# Altium PCB Pi4GPU_v2.PcbDoc (part 3 of 4) (continued)
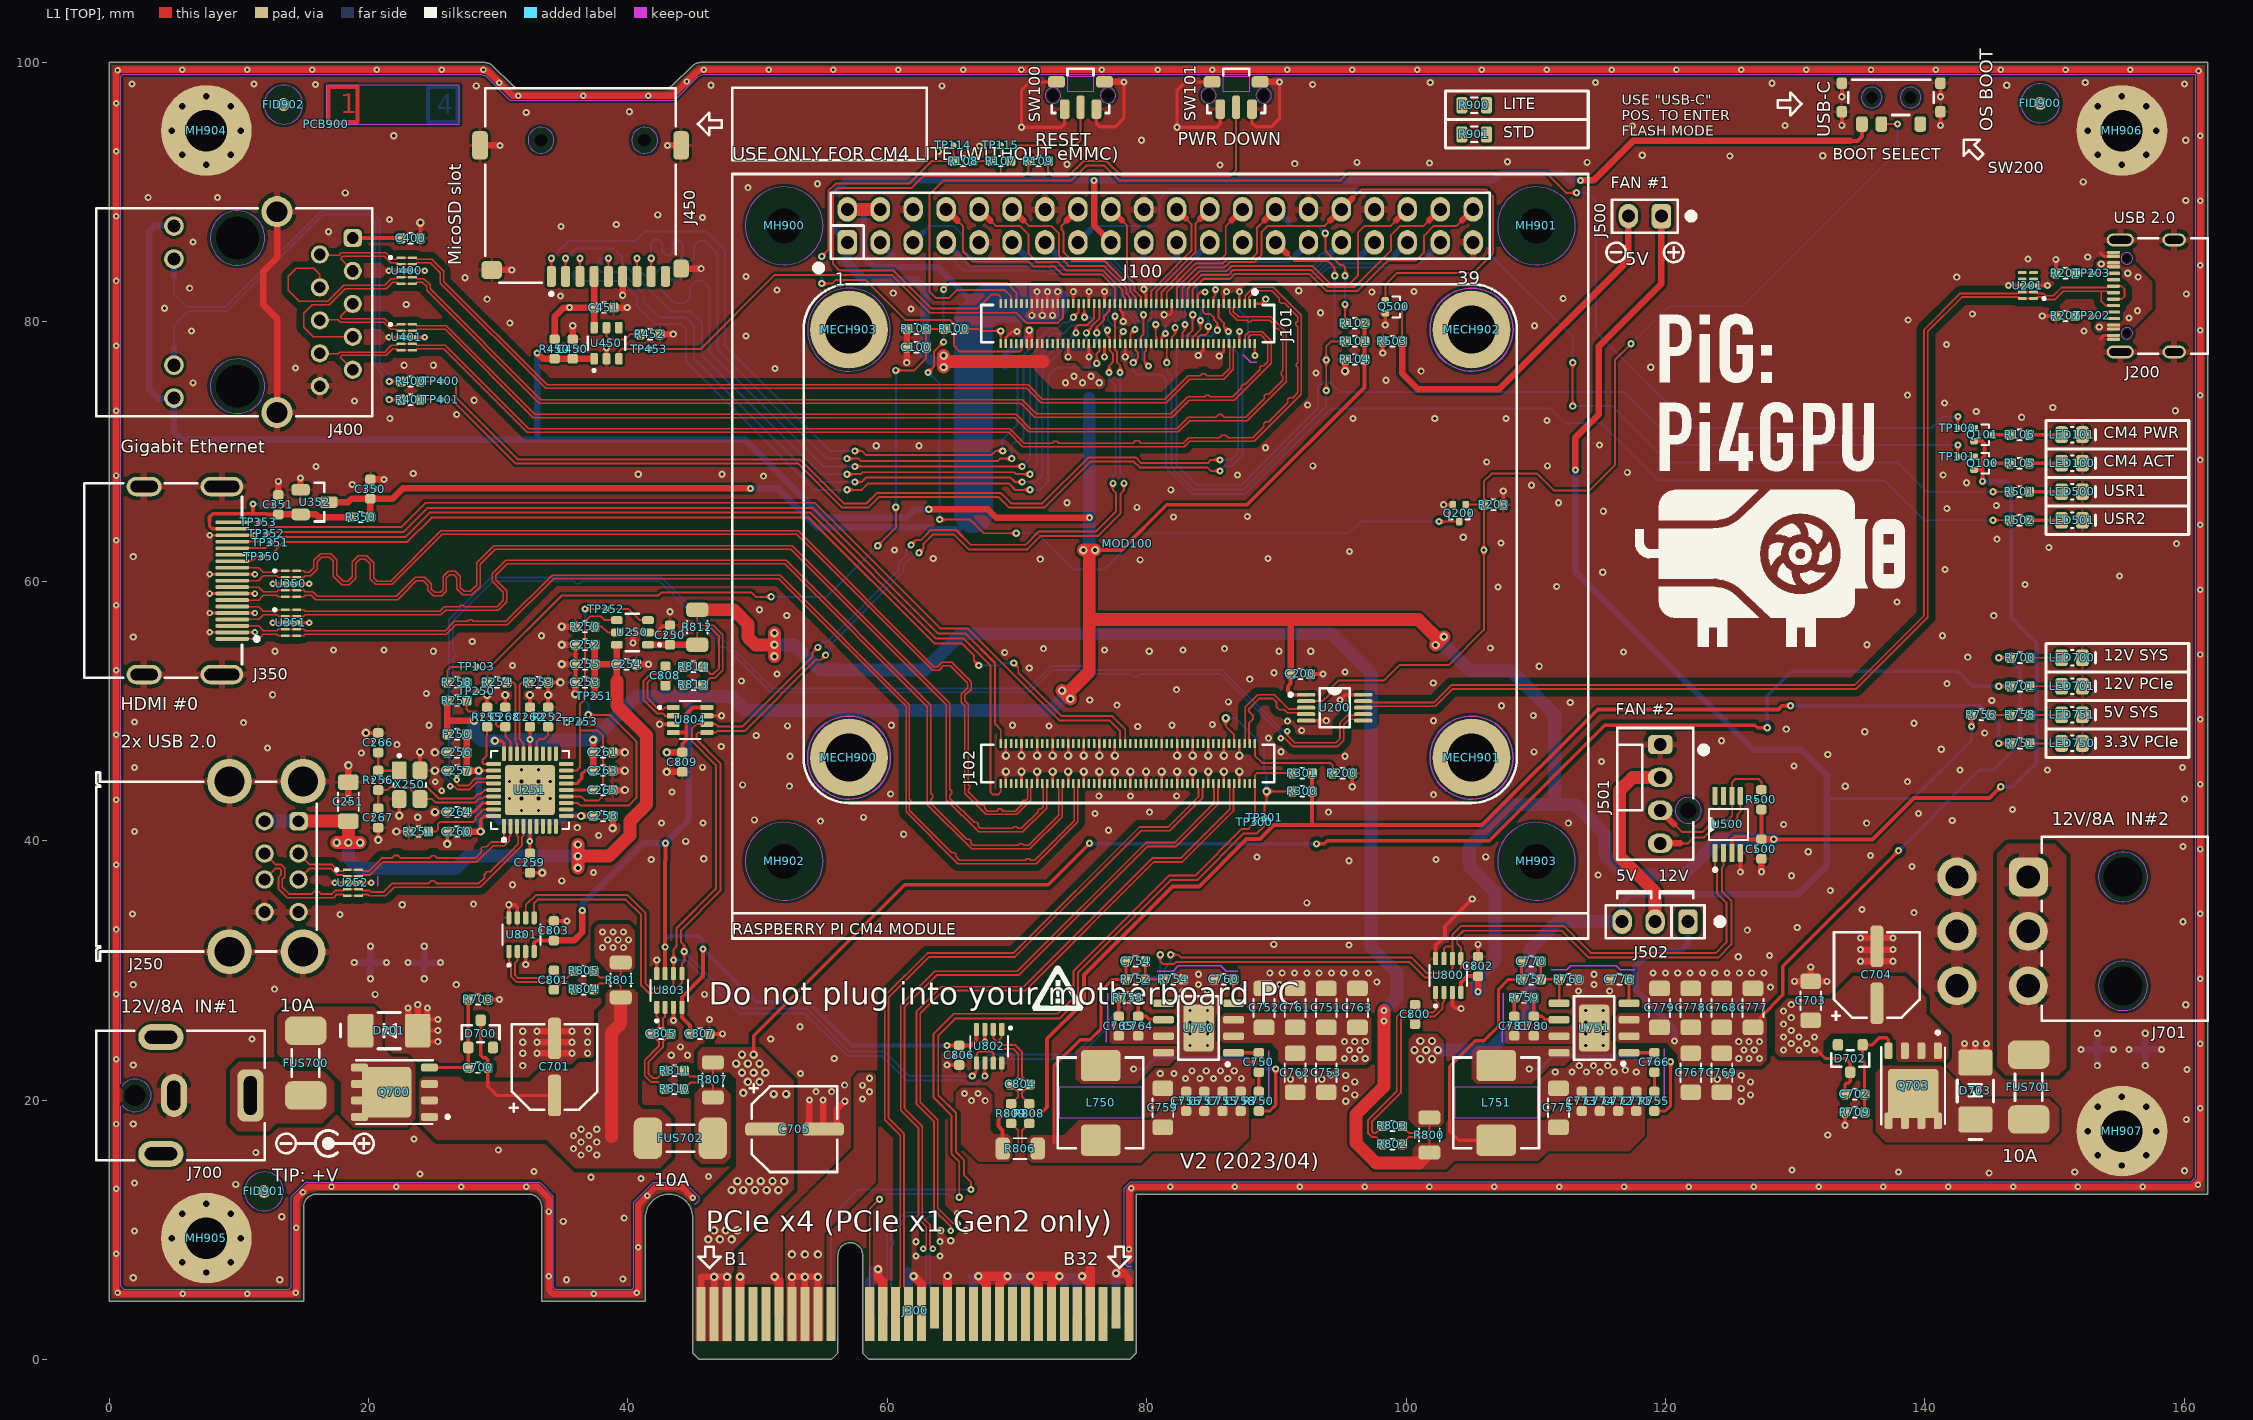
[diagram p0: L1 [TOP] view]
## Nets (pads, with @x,y where several pads share a name; then routed paths per layer and width w, separated by ;. In a path a pad name is that pad's centre, name@x,y a point inside that pad or via, vN(x,y) a via of type N, cw(c..) or ccw(c..) an arc to the next point about the centre after c; other vN are vias at no path point) (continued)
  other v2: 31.8,43.25 33.1,43.25 31.8,44.55 33.1,44.55
  other v3: 5.665,5.054 10.665,5.054 37.361,5.067 14.378,5.136 0.65,5.15 40.7,5.15 33.91,6.4 0.55,8.15 78.639,8.497 40.794,8.65 14.442,10.135 33.91,11.4 45.01,12.464 41.495,12.627 14.95,12.9 0.55,13.15 78.8,13.2 17.15,13.306 22.15,13.306 27.15,13.306 32.15,13.306 81.807,13.325 86.807,13.325 91.807,13.325 96.807,13.325 101.807,13.325 106.807,13.325 111.807,13.325 116.807,13.325 121.807,13.325 126.807,13.325 131.807,13.325 136.807,13.325 141.807,13.325 146.807,13.325 151.807,13.325 156.807,13.325 161.062,13.459 0.55,18.15 161.25,19.35 0.55,23.15 161.25,24.35 0.55,28.15 161.25,29.35 0.55,33.15 161.25,34.35 0.55,38.15 161.25,39.35 0.55,43.15 25.65,43.85 161.25,44.35 25.15,44.55 0.55,48.15 161.25,49.35 0.55,53.15 161.25,54.35 0.55,58.15 161.25,59.35 0.55,63.15 161.25,64.35 0.55,68.15 161.25,69.35 0.55,73.15 161.25,74.35 0.55,78.15 161.25,79.35 0.55,83.15 161.25,84.35 0.55,88.15 161.25,89.35 0.55,93.15 161.25,94.35 0.55,96.85 31.557,97.44 36.557,97.44 41.557,97.44 30.094,98.422 44.553,98.53 161.103,99.341 0.65,99.4 5.65,99.45 10.65,99.45 15.65,99.45 20.65,99.45 25.65,99.45 28.867,99.433 45.85,99.45 50.85,99.45 55.85,99.45 60.85,99.45 65.85,99.45 70.35,99.45 76.55,99.45 80.85,99.45 85.05,99.45 90.85,99.45 95.85,99.45 100.85,99.45 105.85,99.45 110.85,99.45 115.85,99.45 120.85,99.45 125.85,99.45 130.85,99.45 135.85,99.45 140.85,99.45 145.85,99.45 150.85,99.45 155.85,99.45
  other v4: 7.5,6.7 5.626,7.476 9.374,7.476 4.85,9.35 10.15,9.35 5.626,11.224 9.374,11.224 7.5,12 155.2,14.95 153.326,15.726 157.074,15.726 152.55,17.6 157.85,17.6 153.326,19.474 157.074,19.474 155.2,20.25 7.5,92.1 155.2,92.1 5.626,92.876 9.374,92.876 153.326,92.876 157.074,92.876 4.85,94.75 10.15,94.75 152.55,94.75 157.85,94.75 5.626,96.624 9.374,96.624 153.326,96.624 157.074,96.624 7.5,97.4 155.2,97.4
HUB_EN: TP252.1 U250.3 U251.12 | length 28.1
  L1 [TOP] w0.15: U251.12@35.25,42.9 36.15,42.9 36.35,42.7 40.05,42.7 40.65,43.3 40.65,47.65 38.6,49.7 v1(36.95,49.7) ; v1(36.7,57.85) TP252.1@38.35,57.85 40.05,57.85 40.9,57 U250.3@41.55,57
  L4 [BOT] w0.15: v1(36.7,57.85) 36.7,50.75 36.95,50.5 v1(36.95,49.7)
HUB_FLT: TP253.1 U250.4 U251.13 U251.17 | length 25
  L1 [TOP] w0.15: U251.13@35.25,43.4 36.4,43.4 36.7,43.1 37.75,43.1 38.1,43.45 38.1,48.05 37.65,48.5 36.3,48.5 ; U251.17@35.25,45.4 36.05,45.4 36.3,45.65 36.3,47.8 36.3,48.5 ; U250.4@39.15,57 38.2,57 37.9,57.3 37.082,57.3 36.7,56.918 36.7,50.9 36.3,50.5 36.3,48.5
HUB_nRST: C268.2 R257.1 R258.1 TP250.1 U251.26 | length 8.8
  L1 [TOP] w0.15: R258.1@27.575,52.2 27.575,51.5 ; TP250.1@28.35,51.5 27.575,51.5 ; U251.26@30.95,46.7 30.95,47.65 30.55,48.05 C268.2@30.55,48.775 30.538,48.787 30.013,48.787 29.85,48.95 29.85,49.25 29.6,49.5 28.8,49.5 28.35,49.95 27.75,49.95 27.575,50.125 R257.1@27.575,50.8 27.575,51.5
HUB_OSC1: C266.2 R256.2 U251.32 X250.1 | length 11.5
  L1 [TOP] w0.15: X250.1@22.35,45.3 23.5,44.15 24.5,44.15 25.4,43.25 28.1,43.25 28.45,43.6 28.65,43.6 28.95,43.9 U251.32@29.65,43.9
  L1 [TOP] w0.2: C266.2@20.75,46.8 R256.2@20.75,45.4 22.325,45.4 22.35,45.375 X250.1@22.35,45.3
HUB_OSC2: C267.2 R256.1 U251.33 X250.3 | length 11.1
  L1 [TOP] w0.15: R256.1@20.75,43.9 21.45,43.9 21.7,44.15 23.025,44.15 23.413,43.762 23.423,43.762 23.975,43.21 X250.3@23.975,43.2 24.9,43.2 25.15,42.95 28.25,42.95 28.55,43.25 28.8,43.25 28.95,43.4 U251.33@29.65,43.4
  L1 [TOP] w0.2: C267.2@20.75,42.5 R256.1@20.75,43.9
HUB_RBIAS: R251.2 U251.35 | length 6.1
  L1 [TOP] w0.15: R251.2@24.6,40.7 25.2,40.7 25.35,40.85 25.35,41.25 25.55,41.45 28.1,41.45 28.25,41.6 28.25,41.75 28.9,42.4 U251.35@29.65,42.4
LED_ACT_OUT: Q100.3 R105.2 | length 1.4
  L1 [TOP] w0.25: Q100.3@145.1,69.1 R105.2@146.55,69.1
LED_PWR_OUT: Q101.3 R106.2 | length 1.4
  L1 [TOP] w0.25: Q101.3@145.1,71.3 R106.2@146.55,71.3
NetC400_2: C400.2 J400.1 | length 3.7
  L1 [TOP] w0.3: J400.1@18.79,86.465 22.485,86.465 C400.2@22.5,86.45
NetC700_1: C700.1 D700.1 Q700.4 R703.2 | length 8.3
  L1 [TOP] w0.25: Q700.4@24.7,22.505 C700.1@27.7,22.505 ; C700.1@27.7,22.5 C700.1@27.7,22.505 ; R703.2@27.7,27.75 D700.1@27.7,24.05 C700.1@27.7,22.505
NetC702_1: C702.1 D702.1 Q703.4 R709.2 | length 8.4
  L1 [TOP] w0.25: R709.2@135.35,19.05 C702.1@135.35,20.45 135.35,22.9 135.2,23.05 D702.1@135.2,24.25 135.935,24.25 136.485,24.8 137.049,24.8 137.195,24.654 Q703.4@137.195,23.8
NetC750_1: C750.1 U750.1 | length 2
  L1 [TOP] w0.25: U750.1@86.7,23.645 86.705,23.65 C750.1@88.65,23.65
NetC750_2: C750.2 R750.1 | length 1.5
  L1 [TOP] w0.25: R750.1@88.65,20.65 C750.2@88.65,22.15
NetC760_2: C760.2 U750.4 | length 1.8
  L1 [TOP] w0.25: U750.4@86.7,27.455 C760.2@86.7,29.3
NetC764_2: C764.2 R753.2 U750.6 | length 3.5
  L1 [TOP] w0.25: R753.2@79.35,27.9 C764.2@79.35,26.45 79.985,26.45 80.25,26.185 U750.6@81.3,26.185
NetC765_2: C765.2 R753.1 | length 1.4
  L1 [TOP] w0.25: C765.2@77.85,26.45 R753.1@77.85,27.9
NetC766_1: C766.1 U751.1 | length 2
  L1 [TOP] w0.25: U751.1@117.2,23.645 117.205,23.65 C766.1@119.15,23.65
NetC766_2: C766.2 R755.1 | length 1.5
  L1 [TOP] w0.25: R755.1@119.15,20.65 C766.2@119.15,22.15
NetC776_2: C776.2 U751.4 | length 1.8
  L1 [TOP] w0.25: U751.4@117.2,27.455 C776.2@117.2,29.3
NetC780_2: C780.2 R759.2 U751.6 | length 3.5
  L1 [TOP] w0.25: R759.2@109.85,27.9 C780.2@109.85,26.45 110.485,26.45 110.75,26.185 U751.6@111.8,26.185
NetC781_2: C781.2 R759.1 | length 1.4
  L1 [TOP] w0.25: C781.2@108.35,26.45 R759.1@108.35,27.9
NetC800_1: C800.1 R802.1 U800.1 | length 16.6
  L1 [TOP] w0.15: R802.1@98.2,16.6 97.65,17.15 97.362,17.15 97.079,17.433 97.079,18.476 99.285,20.681 99.285,26.411 99.624,26.75 100.1,26.75 C800.1@100.7,27.35 101.3,26.75 102.1,26.75 102.5,27.15 102.5,27.45 102.275,27.675 U800.1@102.275,28.3
NetC800_2: C800.2 R803.1 U800.2 | length 16.1
  L1 [TOP] w0.15: R803.1@98.2,18 97.65,17.45 97.486,17.45 97.379,17.557 97.379,18.351 99.6,20.572 99.6,26.302 99.748,26.45 100.1,26.45 C800.2@100.7,25.85 101.3,26.45 102.224,26.45 102.8,27.026 102.8,27.45 102.925,27.575 U800.2@102.925,28.3
NetC801_1: C801.1 R804.1 U801.1 | length 7.8
  L1 [TOP] w0.15: U801.1@30.825,31.45 30.825,30.748 31.003,30.57 31.003,29.497 31.4,29.1 33.7,29.1 C801.1@34.3,28.5 34.895,29.095 35.305,29.095 R804.1@35.85,28.55
NetC801_2: C801.2 R805.1 U801.2 | length 7.3
  L1 [TOP] w0.15: U801.2@31.475,31.45 31.475,30.738 31.304,30.567 31.304,29.622 31.525,29.401 33.701,29.401 C801.2@34.3,30 34.9,29.4 35.3,29.4 R805.1@35.85,29.95
NetC804_1: C804.1 R808.1 U802.1 | length 7.9
  L1 [TOP] w0.15: U802.1@68.825,25.45 68.825,24.825 68.65,24.65 68.65,24.424 68.824,24.25 69.85,24.25 70.4,23.7 70.4,21.8 C804.1@71,21.2 70.4,20.6 70.4,20.25 R808.1@70.95,19.7
NetC804_2: C804.2 R809.1 U802.2 | length 7.9
  L1 [TOP] w0.15: U802.2@68.175,25.45 68.175,24.775 68.35,24.6 68.35,24.3 68.7,23.95 69.726,23.95 70.1,23.576 70.1,21.8 C804.2@69.5,21.2 70.1,20.6 70.1,20.25 R809.1@69.55,19.7
NetC805_1: C805.1 R810.1 U803.1 | length 8.3
  L1 [TOP] w0.15: U803.1@42.225,27.15 42.225,26.448 42.403,26.27 42.403,25.703 C805.1@41.8,25.1 42.4,24.5 42.4,24.174 41.3,23.074 41.3,21.876 41.776,21.4 42.3,21.4 R810.1@42.85,20.85
NetC805_2: C805.2 R811.1 U803.2 | length 7.8
  L1 [TOP] w0.15: R811.1@42.85,22.25 42.3,21.7 41.9,21.7 41.6,22 41.6,22.95 42.7,24.05 42.7,24.5 C805.2@43.3,25.1 42.704,25.696 42.704,26.267 42.875,26.438 U803.2@42.875,27.15
NetC808_1: C808.1 R813.1 U804.1 | length 7.3
  L1 [TOP] w0.15: U804.1@43.5,50.275 42.867,50.275 42.692,50.1 42.4,50.1 41.5,51 41.5,52.176 41.874,52.55 42.3,52.55 C808.1@42.9,51.95 43.5,52.55 43.75,52.55 R813.1@44.3,52
NetC808_2: C808.2 R814.1 U804.2 | length 8.3
  L1 [TOP] w0.15: U804.2@43.5,49.625 42.875,49.625 42.7,49.8 42.276,49.8 41.2,50.876 41.2,52.3 41.75,52.85 42.3,52.85 C808.2@42.9,53.45 43.5,52.85 43.75,52.85 R814.1@44.3,53.4
NetD701_1: D701.1 FUS700.2 Q700.5 Q700.6 Q700.7 Q700.8 Q700.EP
NetD703_1: D703.1 FUS701.2 Q703.5 Q703.6 Q703.7 Q703.8 Q703.EP
NetJ400_12: J400.12 R400.2 | length 36
  L1 [TOP] w0.15: v1(21.6,75.4) R400.2@22.5,75.4
  L4 [BOT] w0.15: 5,83.55 5,82.15 6,81.15 8.976,81.15 16.426,88.6 20.15,88.6 20.85,87.9 20.85,76.7 21.6,75.95 v1(21.6,75.4)
  L4 [BOT] w0.5: 5,83.55 J400.12@5,84.84
NetJ400_13: J400.13 R401.2 | length 37.5
  L1 [TOP] w0.15: v1(21.6,74) R401.2@22.5,74
  L4 [BOT] w0.15: 5,77.95 5,79.75 6.1,80.85 9.1,80.85 16.525,88.275 20.051,88.275 20.55,87.776 20.55,76.576 21,76.126 21,74.6 v1(21.6,74)
  L4 [BOT] w0.5: J400.13@5,76.66 5,77.95
NetJ500_2: J500.2 Q500.3 R503.2 | length 30.6
  L1 [TOP] w0.15: R503.2@99.7,78.5 Q500.3@99.7,81.15
  L1 [TOP] w0.5: R503.2@99.7,78.5 99.7,76.022 100.909,74.813 107.193,74.813 117.15,84.77 J500.2@117.15,88.15
NetJ501_2: J501.2 J502.2 | length 14.8
  L1 [TOP] w1: J502.2@119.2,33.75 119.2,36.05 116.45,38.8 116.45,43.85 117.47,44.87 J501.2@119.6,44.87
NetLED100_2: LED100.2 R105.1 | length 2.5
  L1 [TOP] w0.25: R105.1@148.05,69.1 LED100.2@150.55,69.1
NetLED101_2: LED101.2 R106.1 | length 2.5
  L1 [TOP] w0.25: R106.1@148.05,71.3 LED101.2@150.55,71.3
NetLED500_2: LED500.2 R501.2 | length 2.5
  L1 [TOP] w0.25: R501.2@148.05,66.9 LED500.2@150.55,66.9
NetLED501_2: LED501.2 R502.2 | length 2.5
  L1 [TOP] w0.25: R502.2@148.05,64.7 LED501.2@150.55,64.7
NetLED700_2: LED700.2 R700.1 | length 2.4
  L1 [TOP] w0.15: R700.1@148.1,54.1 LED700.2@150.55,54.1
NetLED701_2: LED701.2 R701.1 | length 2.4
  L1 [TOP] w0.15: R701.1@148.1,51.9 LED701.2@150.55,51.9
NetLED750_2: LED750.2 R751.1 | length 2.4
  L1 [TOP] w0.15: R751.1@148.1,47.5 LED750.2@150.55,47.5
NetLED751_2: LED751.2 R758.1 | length 2.4
  L1 [TOP] w0.15: R758.1@148.1,49.7 LED751.2@150.55,49.7
NetR107_1: R107.1 SW100.2 | length 9
  L1 [TOP] w0.15: R107.1@69.5,92.4 69.5,93.15 69.95,93.6 74.495,93.6 74.9,94.005 SW100.2@74.9,96.55
NetR107_2: R107.2 R108.1 | length 1.4
  L1 [TOP] w0.15: R108.1@66.6,92.4 R107.2@68,92.4
NetR109_1: R109.1 SW101.2 | length 21.4
  L1 [TOP] w0.15: R109.1@72.4,92.4 72.4,91.601 72.751,91.25 74,91.25 75.15,92.4 76.9,92.4 78.05,91.25 86.45,91.25 86.9,91.7 SW101.2@86.9,96.55
NetR250_2: R250.2 U250.5 | length 1.9
  L1 [TOP] w0.15: R250.2@37.45,56.5 38,56.5 38.45,56.05 U250.5@39.15,56.05
NetR452_2: R452.2 U450.5 | length 3.5
  L1 [TOP] w0.15: U450.5@38.35,79.55 38.35,78.9 38.6,78.65 39.8,78.65 40.2,79.05 R452.2@40.95,79.05
NetR756_1: R756.1 R758.2 | length 1.5
  L1 [TOP] w0.15: R756.1@145.1,49.7 R758.2@146.6,49.7
PCIe_CLK_N: J300.A14 MOD100.112 | length 63.3
  L1 [TOP] w0.141: v3(64.9,9.928) 64.9,10.251 63.6,11.551 63.6,18.36 62.246,19.714 62.246,26.799 64.176,28.729 70.526,28.729 80.447,38.65 82.644,38.65 86.403,42.409 86.403,44.04 86.377,44.067 86.377,44.373 MOD100.112@86.35,44.4
  L4 [BOT] w0.141: J300.A14@60.65,3.5 60.65,5.25 60.297,5.604 60.297,8.676 60.532,8.912 60.532,9.062 60.297,9.297 60.297,9.832 60.751,10.286 60.969,10.286 61.096,10.413 61.096,10.631 61.521,11.057 62.711,11.057 62.901,10.867 63.087,10.867 63.277,11.057 64.094,11.057 64.9,10.251 v3(64.9,9.928)
PCIe_CLK_P: J300.A13 MOD100.110 | length 63.3
  L1 [TOP] w0.141: 65.107,10.458 63.893,11.672 63.893,18.481 62.539,19.836 62.539,26.677 64.297,28.436 70.647,28.436 80.568,38.357 82.765,38.357 86.696,42.288 86.696,44.04 86.723,44.067 86.723,44.373 MOD100.110@86.75,44.4 ; 65.11,10.456 v3@65.428,10.456
  L4 [BOT] w0.141: J300.A13@59.65,3.5 59.65,5.25 60.003,5.603 60.003,9.954 61.4,11.35 64.215,11.35 65.105,10.461 ; 65.107,10.458 65.105,10.461 ; v3(65.428,10.461) 65.105,10.461
PCIe_nCLKREQ: J300.B12 MOD100.102 R301.2 TP300.1 | length 68.4
  L1 [TOP] w0.15: J300.B12@58.65,3.5 58.65,11.6 v1(59.4,12.35) ; v1(65.55,12.5) 65.55,15.25 64.95,15.85 64.95,18.824 63.581,20.193 63.581,25.092 65.139,26.65 73.155,26.65 74.35,27.845 74.35,29.941 81.709,37.3 83.75,37.3 87.35,40.9 87.85,40.9 TP300.1@88.35,41.4 MOD100.102@88.35,44.4 88.35,45.05 88.5,45.2 R301.2@91.25,45.2
  L4 [BOT] w0.15: v1(59.4,12.35) 59.8,12.75 64.65,12.75 64.9,12.5 v1(65.55,12.5)
PCIe_nRST: J300.A11 MOD100.109 R300.2 TP301.1 | length 79.5
  L1 [TOP] w0.15: v1(66.45,13.1) 66.45,13.688 65.91,14.228 65.91,15.385 65.3,15.995 65.3,19 63.931,20.369 63.931,24.95 65.281,26.3 73.3,26.3 74.7,27.7 74.7,29.796 81.854,36.95 83.895,36.95 87.495,40.55 88.5,40.55 89.1,41.15 TP301.1@89.1,41.75 89.1,42.75 89.25,42.9 v2(89.25,43.8) R300.2@91.25,43.8 ; v2(86.1,49.45) 86.1,48.8 86.75,48.15 MOD100.109@86.75,47.48
  L4 [BOT] w0.15: J300.A11@55.65,3.5 55.65,11 57.75,13.1 v1(66.45,13.1) ; v2(86.1,49.45) 86.85,49.45 89.05,47.25 89.05,45.4 89.25,45.2 v2(89.25,43.8)
PCIe_RX_N: J300.A16 MOD100.118 | length 57.1
  L1 [TOP] w0.141: v3(62.775,8.525) 63.003,8.753 63.003,10.247 62.4,10.85 62.4,17.863 61.046,19.217 61.046,27.296 63.679,29.929 70.029,29.929 79.95,39.85 82.147,39.85 85.203,42.906 85.203,44.04 85.177,44.067 85.177,44.373 MOD100.118@85.15,44.4
  L4 [BOT] w0.141: J300.A16@62.65,3.5 62.65,5.25 63.003,5.603 63.003,8.297 v3(62.775,8.525)
PCIe_RX_P: J300.A17 MOD100.116 | length 57.1
  L1 [TOP] w0.141: v3(63.525,8.528) 63.297,8.757 63.297,10.368 62.693,10.971 62.693,17.863 62.693,17.984 61.339,19.338 61.339,27.174 63.8,29.636 70.15,29.636 80.071,39.557 82.268,39.557 85.496,42.785 85.496,44.04 85.523,44.067 85.523,44.373 MOD100.116@85.55,44.4
  L4 [BOT] w0.141: v3(63.525,8.528) 63.297,8.3 63.297,5.603 63.65,5.25 J300.A17@63.65,3.5
PCIe_TX_N: J300.B14 MOD100.124 | length 56.8
  L1 [TOP] w0.141: J300.B14@60.65,3.5 60.65,5.25 61.004,5.603 61.004,9.778 61.004,17.284 59.808,18.48 59.808,28.033 63.104,31.329 69.729,31.329 79.45,41.05 81.65,41.05 84.003,43.403 84.003,44.04 83.977,44.067 83.977,44.373 MOD100.124@83.95,44.4
PCIe_TX_P: J300.B15 MOD100.122 | length 56.8
  L1 [TOP] w0.141: J300.B15@61.65,3.5 61.65,5.25 61.297,5.603 61.297,9.9 61.297,17.406 60.101,18.601 60.101,27.912 63.225,31.036 69.85,31.036 79.571,40.757 81.771,40.757 84.296,43.282 84.296,44.04 84.323,44.067 84.323,44.373 MOD100.122@84.35,44.4
PP1800: MOD100.88 MOD100.90 TP109.1 TP113.1 | length 5.7
  L1 [TOP] w0.15: MOD100.90@70.75,78.32 70.75,78.8 70.85,78.9 70.95,78.9 71.05,78.9 71.15,78.8 MOD100.88@71.15,78.32
  L1 [TOP] w0.25: 70.95,78.9 v1(70.95,79.35)
  L4 [BOT] w0.5: TP113.1@69.05,76.55 69.05,77.4 69.45,77.8 69.75,77.8 TP109.1@70.4,78.45 70.95,79 v1(70.95,79.35)
PP3300: C200.2 C261.2 C262.2 C263.2 C450.2 C500.2 C802.2 C803.2 C806.2 C807.2 C809.2 F250.1 J100.1 J100.17 J400.11 J400.14 MOD100.78 MOD100.84 MOD100.86 Q100.2 Q101.2 R101.2 R102.2 R104.2 R257.2 R450.2 R500.2 SW200.3 TP108.1 TP112.1 U200.1 U251.15 U251.23 U251.27 U450.1 U500.3 U800.4 U801.4 U802.4 U803.4 U803.7 U804.4 U804.8 | length 583.3
  L1 [TOP] w0.25: v2(29.75,47.7) 30.25,47.7 30.45,47.5 U251.27@30.45,46.7 ; U251.23@32.45,46.7 v1(32.45,47.788) C262.2@32.45,48.775 ; U251.15@35.25,44.4 36.05,44.4 36.45,44.8 36.45,45.15 36.7,45.4 C263.2@37.325,45.4
  L1 [TOP] w0.3: U801.4@32.775,31.45 32.775,32.125 32.95,32.3 C803.2@34.3,32.3 ; U803.7@42.875,29.75 v1(42.875,31.8) 42.875,38.425 42.9,38.45 v1(42.9,39.8) ; U804.4@43.5,48.325 44.5,48.325 ; C809.2@44.2,46.8 44.2,47.45 44.5,47.75 44.5,48.325 ; C807.2@44.8,25.1 44.8,25.748 44.175,26.373 U803.4@44.175,27.15 44.175,27.925 45.8,29.55 v1(45.8,31.65) ; U804.8@46.1,50.275 45.025,50.275 44.5,49.75 44.5,48.325 ; v1(64.6,24.2) C806.2@65.55,24.2 66.45,24.2 66.875,24.625 U802.4@66.875,25.45 ; v2(76.025,62.4) 78.05,62.4 81.55,65.9 87.75,65.9 96.8,74.95 R104.2@96.8,77.1 R101.2@96.8,78.5 R102.2@96.8,79.9 ; C200.2@91.1,52.85 91.1,52.1 90.9,51.9 90.9,51.55 91.2,51.25 U200.1@92.3,51.25 ; U800.4@104.225,28.3 104.225,29.059 104.716,29.55 C802.2@105.55,29.55 ; U500.3@125.125,39.05 125.125,40.075 125.35,40.3 126.25,40.3 126.45,40.1 C500.2@127.4,40.1 R500.2@127.4,42.4 ; v1(128.35,40.1) 135.965,40.1 139.165,43.3 145,43.3 v1(145.85,44.15) ; 134.25,93.95 134.8,93.95 135.15,94.3 SW200.3@135.15,95.25 ; Q100.2@143.8,68.6 144.43,68.6 144.45,68.58 ; Q101.2@143.8,70.8 144.4,70.8 144.499,70.701 144.6,70.6 144.6,69.66 144.45,69.51 144.45,68.58 ; v1(144.45,67.7) 144.45,68.58
  L1 [TOP] w0.5: F250.1@26.075,48.2 26.075,49.25 ; R257.2@26.075,50.8 26.075,49.25 ; v2(28.15,49.25) 26.075,49.25 ; v1(33,77.6) 33.45,77.15 R450.2@34.35,77.15 C450.2@35.75,77.15 U450.1@37.4,77.15 ; C803.2@34.3,32.3 35.85,32.3 36.479,32.929 v1(36.479,34.617) ; C263.2@37.325,45.4 C261.2@37.325,46.8 v2(37.325,47.775) ; v2(43,46.8) C809.2@44.2,46.8 ; v1(63.2,65.55) 67.75,65.55 68.4,64.9 v1(75.6,64.9) ; v1(75.95,90.9) 75.95,87.415 J100.17@77.24,86.125 ; C200.2@91.1,52.85 91.1,57.05 ; v1(105.55,28.35) C802.2@105.55,29.55 ; v1(113.45,90.9) 114.45,90.9 117.5,93.95 134.25,93.95 ; C500.2@127.4,40.1 v1(128.35,40.1)
  L1 [TOP] w1: v2(64.35,76.5) v2(64.35,77.4) ; 64.35,76.95 72,76.95 ; v2(73.482,51.568) v2(74.118,50.932) ; 73.8,51.25 75.575,53.025 75.575,62.4 ; v2(75.125,62.4) v2(76.025,62.4) ; 75.6,57.05 91.1,57.05 100.95,57.05 102.6,55.4 ; v2(102.282,55.082) v2(102.918,55.718)
  L4 [BOT] w0.3: v1(42.875,31.8) 42.875,32.34 43.185,32.65 45.425,32.65 45.8,32.275 v1(45.8,31.65) 49.9,27.55 53.91,27.55 57.26,24.2 v1(64.6,24.2) ; v1(144.45,67.7) 146.3,67.7 146.65,67.35 146.65,57.2 148.6,55.25 148.6,46 146.75,44.15 v1(145.85,44.15)
  L4 [BOT] w0.5: J400.11@5,87.38 4.93,87.45 3.55,87.45 3.1,87 3.1,74.77 3.75,74.12 J400.14@5,74.12 5,71.55 5.65,70.9 33,70.9 ; v1(32.45,47.788) v1@32.463,47.775 ; v1(33,77.6) 33,70.9 ; v1(36.479,34.617) 36.479,35.084 41.195,39.8 v1(42.9,39.8) 44.7,41.6 44.7,46.8 ; v2(43,46.8) 44.7,46.8 ; 44.7,51.1 44.7,46.8 ; J100.1@56.92,86.125 55.65,87.395 55.65,89.7 56.85,90.9 v1(75.95,90.9) 106.75,90.9 107.3,91.45 112.104,91.45 112.654,90.9 v1(113.45,90.9) ; v1(63.2,65.55) 62.15,65.55 61.5,64.9 55.05,64.9 49.05,70.9 33,70.9 ; 75.575,74.075 75.6,74.1
  L4 [BOT] w0.75: J100.1@56.92,86.125 56.92,84.537 58.297,83.16 62.242,83.16 62.912,82.489 62.912,77.438 63.4,76.95 64.35,76.95
  L4 [BOT] w1: v2(28.15,49.25) 28.15,48.3 28.75,47.7 v2(29.75,47.7) 31.05,47.7 31.138,47.788 v1(32.45,47.788) ; v1@32.463,47.775 v2(37.325,47.775) 40.65,51.1 44.7,51.1 48.036,51.1 49.086,50.05 72.6,50.05 73.8,51.25 ; v2(64.35,76.5) v2(64.35,77.4) ; v2(73.482,51.568) v2(74.118,50.932) ; v2(75.125,62.4) v2(76.025,62.4) ; 75.575,62.4 TP108.1@75.575,68.237 TP112.1@75.575,72.187 75.575,74.075 ; v2(102.282,55.082) v2(102.918,55.718) ; 102.6,55.4 104.9,53.1 108.1,53.1 111.45,49.75 111.45,42.8 ; v1(105.55,28.35) 105.55,29.45 106.85,30.75 106.85,36.05 104.9,38 104.9,39.535 108.165,42.8 111.45,42.8 ; v1(128.35,40.1) 124.15,40.1 121.4,37.35 116.881,37.35 115.35,38.881 115.35,40.495 113.045,42.8 111.45,42.8
  other v1: 73.75,75.3 75.05,75.3 76.35,75.3 74.4,75.8 75.7,75.8
PP3300_AN: C256.2 C257.2 C258.2 C259.2 C260.2 F250.2 U251.5 U251.10 U251.29 U251.36 | length 26.7
  L1 [TOP] w0.25: v2(28.5,45.4) U251.29@29.65,45.4 ; v2(28.65,40.7) 28.65,41.604 28.946,41.9 U251.36@29.65,41.9 ; C259.2@32.45,39.025 U251.5@32.45,41.1 ; U251.10@35.25,41.9 v2(36.4,41.9)
  L1 [TOP] w0.5: C260.2@27.575,40.7 v2(28.65,40.7) ; F250.2@27.575,48.2 C256.2@27.575,46.8 C257.2@27.575,45.4 v2(28.5,45.4) ; v2(36.4,41.9) C258.2@37.325,41.9
  L4 [BOT] w0.5: v2(28.5,45.4) 28.5,41.9 ; v2(28.65,40.7) 28.65,41.3 28.5,41.45 28.5,41.9 ; v3(32.45,39.95) 32.45,41.45 ; v2(36.4,41.9) 35.25,41.9 34.8,41.45 32.45,41.45 ; 28.5,41.9 29.65,41.9 30.1,41.45 32.45,41.45